# KiCad board MiniMageSpells-panel.kicad_pcb
title: Mini Mage 2022 SAO Panel; date: 2022-09-12; rev: 1.1; company: DC801; note: @hamster
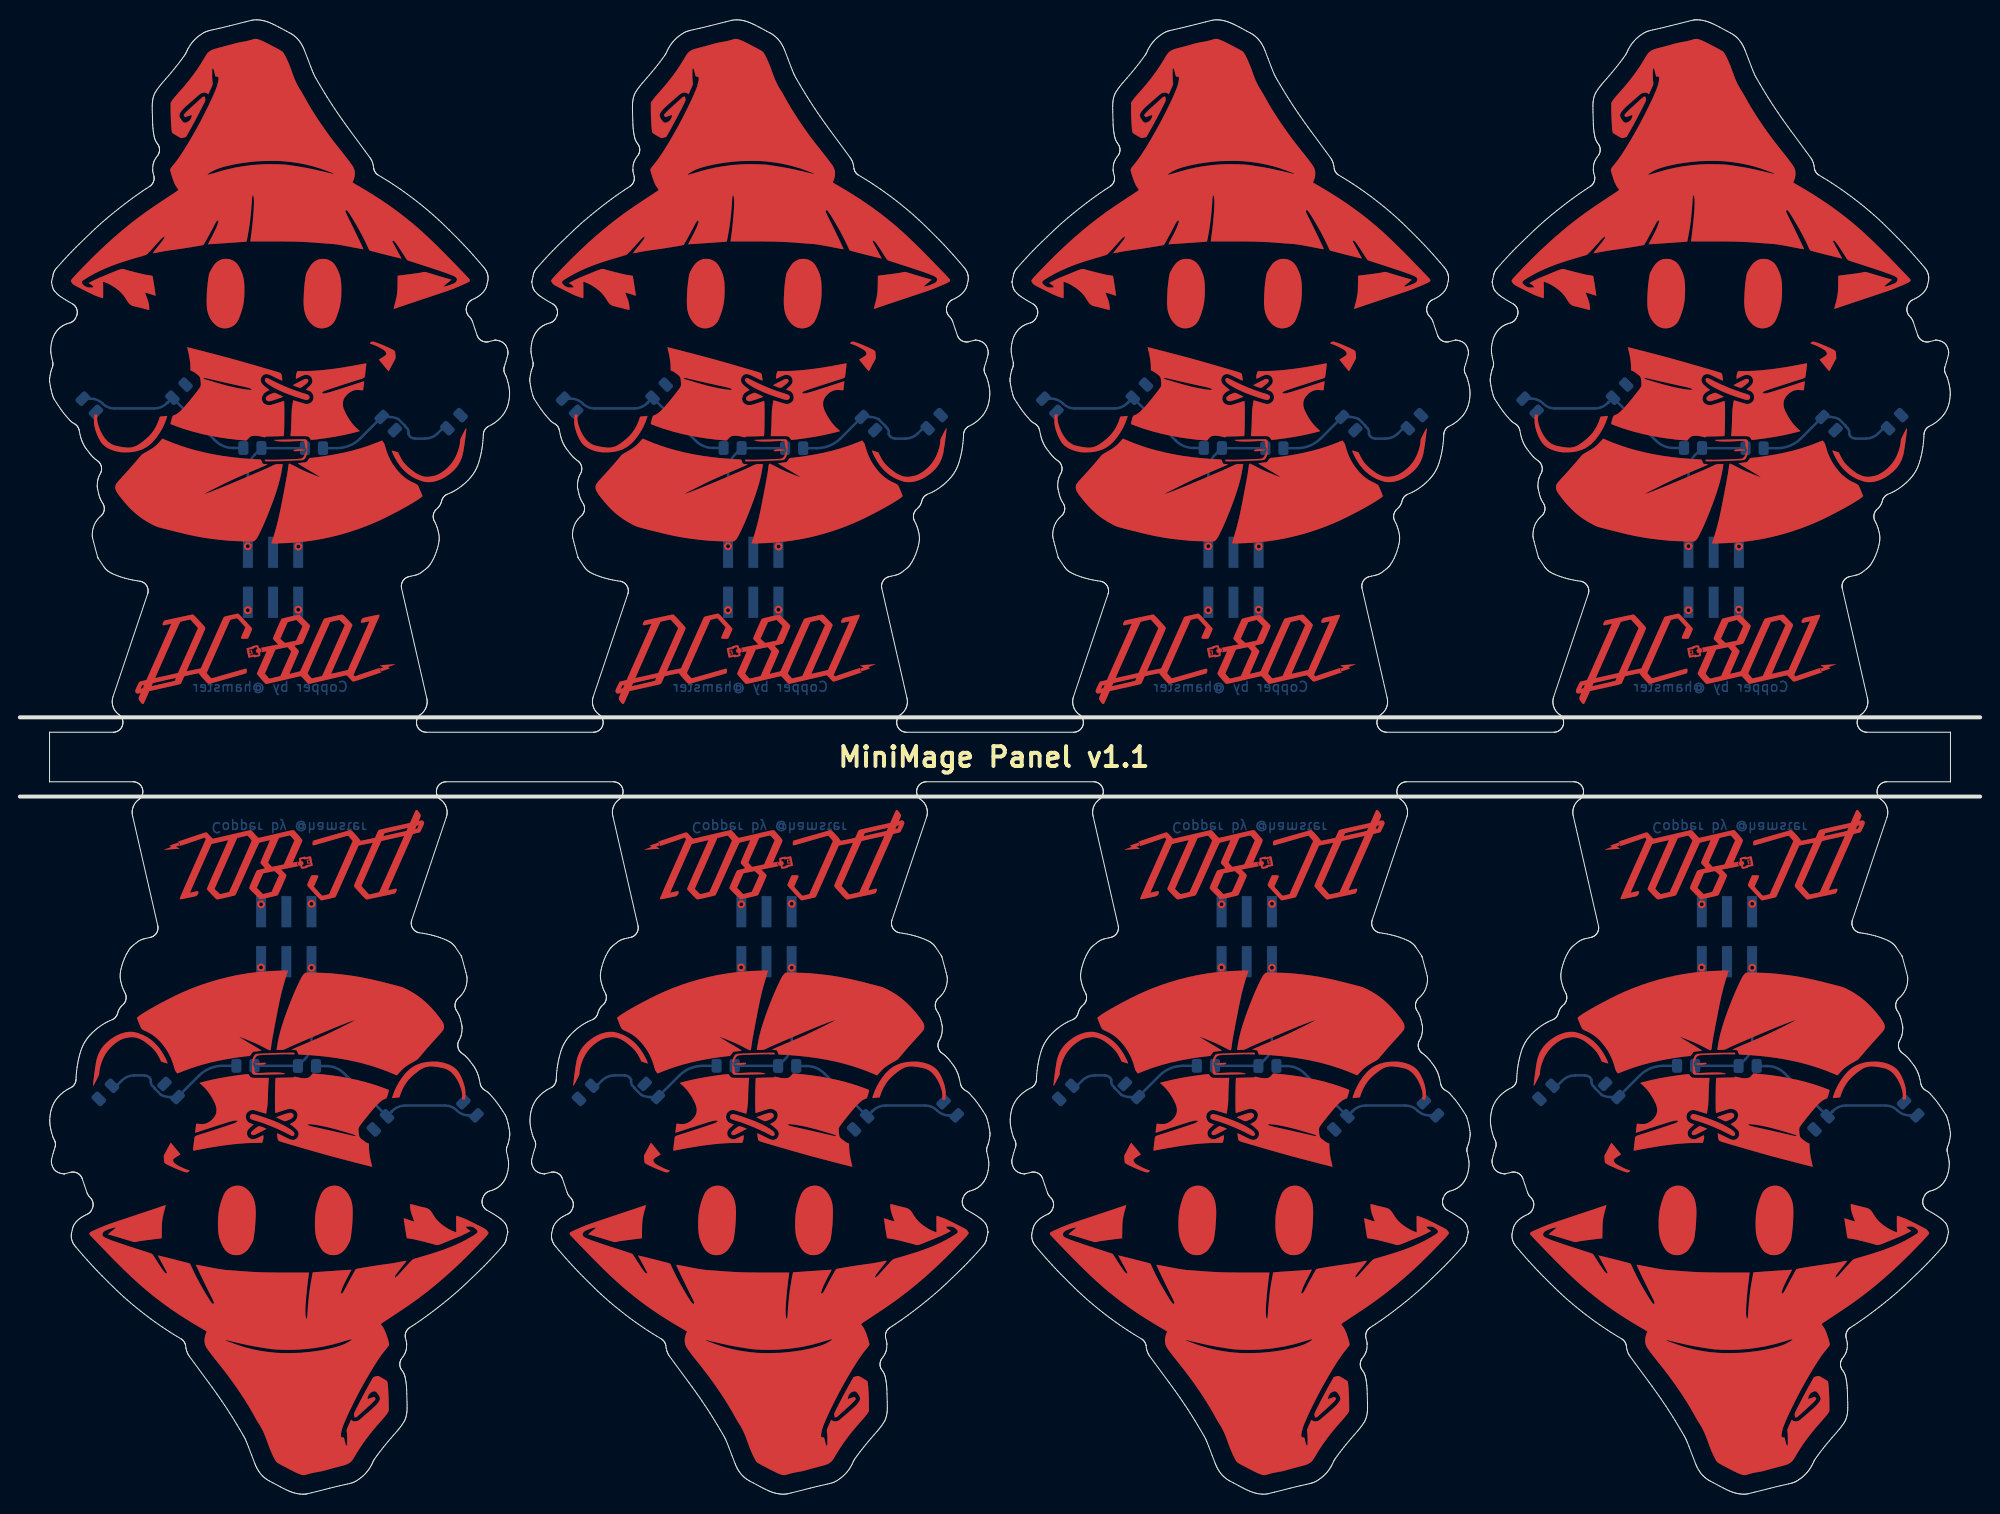
[diagram p0: board, top side]
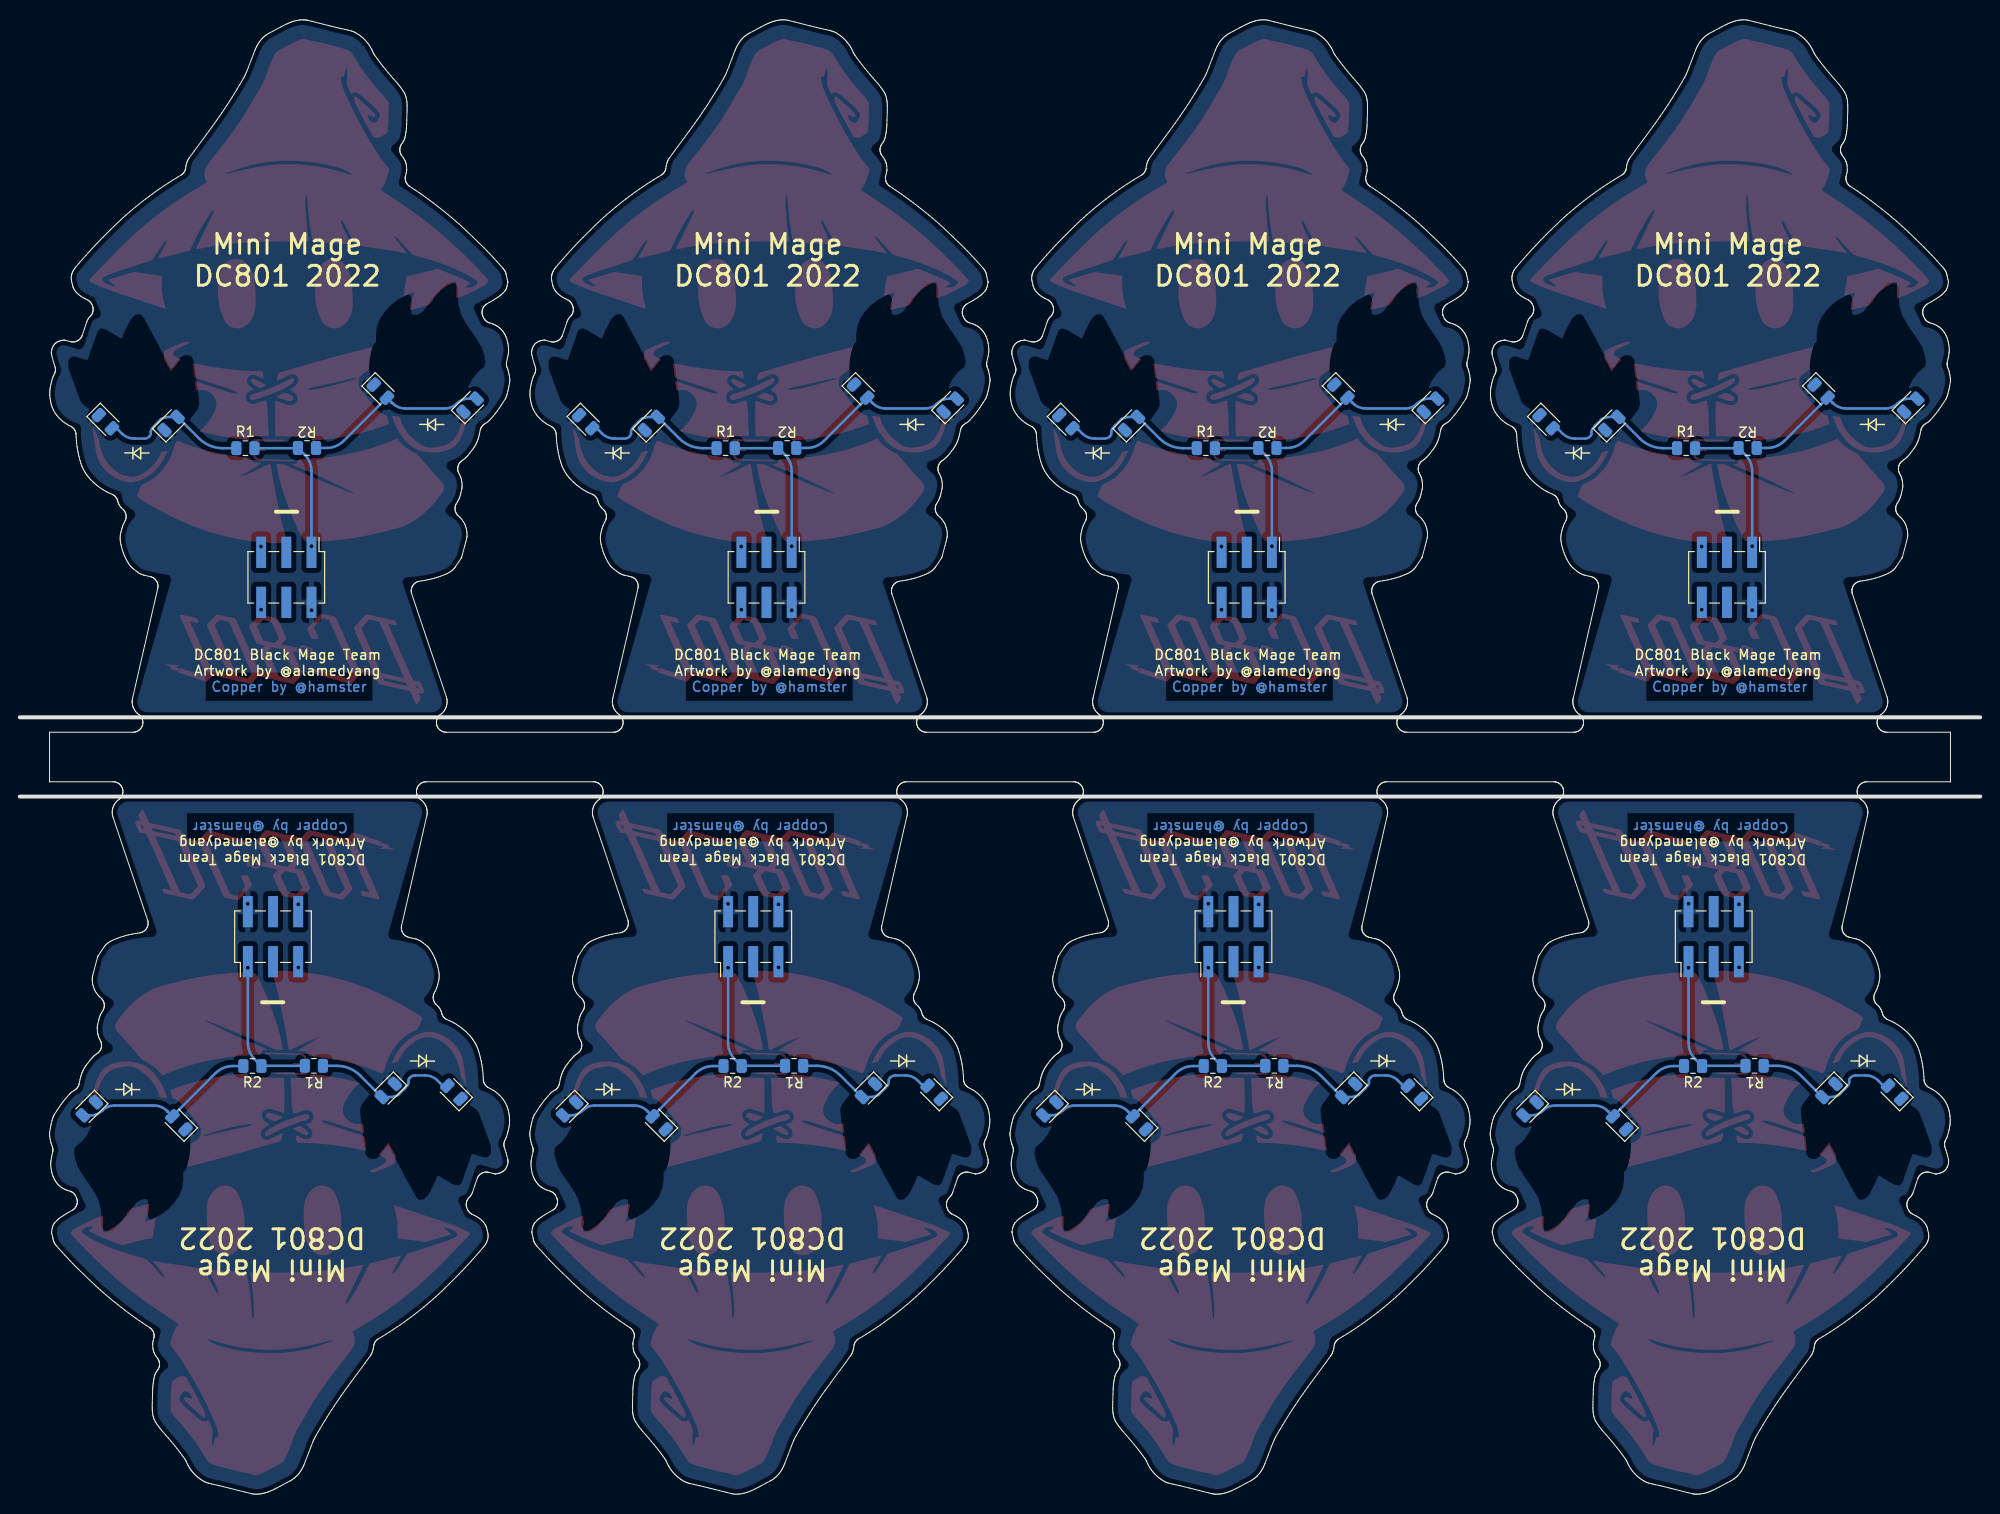
[diagram p1: board, bottom side, seen from below]

Outline 197.86 x 148.88 mm; copper layers: Top, Bottom. Coordinates in mm from the lower left corner of the outline.

## Placement (name value [footprint] x y rotation side)
D1  LED  [LED_0805_2012Metric]  85.66 108.11 135 bottom
D1#2  LED  [LED_0805_2012Metric]  182.59 108.11 135 bottom
D1#3  LED  [LED_0805_2012Metric]  112.2 40.77 315 bottom
D1#4  LED  [LED_0805_2012Metric]  134.13 108.11 135 bottom
D1#5  LED  [LED_0805_2012Metric]  63.73 40.77 315 bottom
D1#6  LED  [LED_0805_2012Metric]  37.19 108.11 135 bottom
D1#7  LED  [LED_0805_2012Metric]  15.26 40.77 315 bottom
D1#8  LED  [LED_0805_2012Metric]  160.66 40.77 315 bottom
D2  LED  [LED_0805_2012Metric]  189.22 108.3 225 bottom
D2#2  LED  [LED_0805_2012Metric]  8.63 40.58 45 bottom
D2#3  LED  [LED_0805_2012Metric]  57.1 40.58 45 bottom
D2#4  LED  [LED_0805_2012Metric]  43.82 108.3 225 bottom
D2#5  LED  [LED_0805_2012Metric]  92.29 108.3 225 bottom
D2#6  LED  [LED_0805_2012Metric]  140.75 108.3 225 bottom
D2#7  LED  [LED_0805_2012Metric]  154.04 40.58 45 bottom
D2#8  LED  [LED_0805_2012Metric]  105.57 40.58 45 bottom
D3  LED  [LED_0805_2012Metric]  55.49 109.96 135 bottom
D3#2  LED  [LED_0805_2012Metric]  190.83 38.92 315 bottom
D3#3  LED  [LED_0805_2012Metric]  103.96 109.96 135 bottom
D3#4  LED  [LED_0805_2012Metric]  7.02 109.96 135 bottom
D3#5  LED  [LED_0805_2012Metric]  45.43 38.92 315 bottom
D3#6  LED  [LED_0805_2012Metric]  152.42 109.96 135 bottom
D3#7  LED  [LED_0805_2012Metric]  142.37 38.92 315 bottom
D3#8  LED  [LED_0805_2012Metric]  93.9 38.92 315 bottom
D4  LED  [LED_0805_2012Metric]  133.33 37.5 45 bottom
D4#2  LED  [LED_0805_2012Metric]  64.53 111.38 225 bottom
D4#3  LED  [LED_0805_2012Metric]  181.79 37.5 45 bottom
D4#4  LED  [LED_0805_2012Metric]  84.86 37.5 45 bottom
D4#5  LED  [LED_0805_2012Metric]  113 111.38 225 bottom
D4#6  LED  [LED_0805_2012Metric]  161.46 111.38 225 bottom
D4#7  LED  [LED_0805_2012Metric]  36.39 37.5 45 bottom
D4#8  LED  [LED_0805_2012Metric]  16.06 111.38 225 bottom
G***  LOGO  [front-soldermask]  171.52 116.5 0 top
G***#2  LOGO  [front-copper]  123.07 116.48 0 top
G***#3  LOGO  [front-copper]  74.78 32.4 180 top
G***#4  LOGO  [front-copper]  74.6 116.48 0 top
G***#5  LOGO  [back-soldermask]  123.27 32.41 180 top
G***#6  LOGO  [front-soldermask]  171.74 32.38 180 top
G***#7  LOGO  [front-copper]  171.72 32.4 180 top
G***#8  LOGO  [front-soldermask]  74.58 116.5 0 top
G***#9  LOGO  [front-copper]  171.54 116.48 0 top
G***#10  LOGO  [back-soldermask]  26.34 32.41 180 top
G***#11  LOGO  [front-soldermask]  74.8 32.38 180 top
G***#12  LOGO  [back-soldermask]  171.52 116.47 0 top
G***#13  LOGO  [front-copper]  123.25 32.4 180 top
G***#14  LOGO  [front-soldermask]  26.34 32.38 180 top
G***#15  LOGO  [front-copper]  26.14 116.48 0 top
G***#16  LOGO  [front-copper]  26.32 32.4 180 top
G***#17  LOGO  [front-soldermask]  26.12 116.5 0 top
G***#18  LOGO  [front-soldermask]  123.05 116.5 0 top
G***#19  LOGO  [back-soldermask]  171.74 32.41 180 top
G***#20  LOGO  [back-soldermask]  26.12 116.47 0 top
G***#21  LOGO  [back-soldermask]  74.8 32.41 180 top
G***#22  LOGO  [back-soldermask]  74.58 116.47 0 top
G***#23  LOGO  [front-soldermask]  123.27 32.38 180 top
G***#24  LOGO  [back-soldermask]  123.05 116.47 0 top
R1  R  [R_0805_2012Metric]  126.62 105.62 0 bottom
R1#2  R  [R_0805_2012Metric]  168.17 43.26 180 bottom
R1#3  R  [R_0805_2012Metric]  175.08 105.62 0 bottom
R1#4  R  [R_0805_2012Metric]  78.15 105.62 0 bottom
R1#5  R  [R_0805_2012Metric]  22.77 43.26 180 bottom
R1#6  R  [R_0805_2012Metric]  119.71 43.26 180 bottom
R1#7  R  [R_0805_2012Metric]  29.68 105.62 0 bottom
R1#8  R  [R_0805_2012Metric]  71.24 43.26 180 bottom
R2  R  [R_0805_2012Metric]  77.45 43.24 0 bottom
R2#2  R  [R_0805_2012Metric]  71.94 105.64 180 bottom
R2#3  R  [R_0805_2012Metric]  168.87 105.64 180 bottom
R2#4  R  [R_0805_2012Metric]  174.38 43.24 0 bottom
R2#5  R  [R_0805_2012Metric]  28.98 43.24 0 bottom
R2#6  R  [R_0805_2012Metric]  125.92 43.24 0 bottom
R2#7  R  [R_0805_2012Metric]  120.41 105.64 180 bottom
R2#8  R  [R_0805_2012Metric]  23.47 105.64 180 bottom
X1  Badgelife_sao_connector_v169bis  [PinHeader_2x03_P2.54mm_Vertical_SMD]  75.36 56.3 90 bottom
X1#2  Badgelife_sao_connector_v169bis  [PinHeader_2x03_P2.54mm_Vertical_SMD]  25.56 92.58 270 bottom
X1#3  Badgelife_sao_connector_v169bis  [PinHeader_2x03_P2.54mm_Vertical_SMD]  74.02 92.58 270 bottom
X1#4  Badgelife_sao_connector_v169bis  [PinHeader_2x03_P2.54mm_Vertical_SMD]  172.3 56.3 90 bottom
X1#5  Badgelife_sao_connector_v169bis  [PinHeader_2x03_P2.54mm_Vertical_SMD]  122.49 92.58 270 bottom
X1#6  Badgelife_sao_connector_v169bis  [PinHeader_2x03_P2.54mm_Vertical_SMD]  123.83 56.3 90 bottom
X1#7  Badgelife_sao_connector_v169bis  [PinHeader_2x03_P2.54mm_Vertical_SMD]  26.9 56.3 90 bottom
X1#8  Badgelife_sao_connector_v169bis  [PinHeader_2x03_P2.54mm_Vertical_SMD]  170.96 92.58 270 bottom

## Footprints (pads in the part's own frame, mm; a bottom-side part is the same pattern mirrored in y, then rotated)
LED_0805_2012Metric
  rrect 0.975x1.4 smd: 1(-0.938,0) 2(0.938,0)
PinHeader_2x03_P2.54mm_Vertical_SMD
  rect 3.15x1 smd: 1(-2.525,2.54) 2(2.525,2.54) 3(-2.525,0) 4(2.525,0) 5(-2.525,-2.54) 6(2.525,-2.54)
R_0805_2012Metric
  rrect 1.025x1.4 smd: 1(-0.912,0) 2(0.912,0)

## Nets
Board_0-+3V3: R1#7.1 R2#8.1 X1#2.1
Board_0-GND: D1#6.1 D2#4.1 D3#4.1 D4#8.1 X1#2.2
Board_0-Net-(D1-Pad2): D1#6.2 D2#4.2 R1#7.2
Board_0-Net-(D3-Pad2): D3#4.2 D4#8.2 R2#8.2
Board_0-unconnected-(X1-Pad3): X1#2.3
Board_0-unconnected-(X1-Pad4): X1#2.4
Board_0-unconnected-(X1-Pad5): X1#2.5
Board_0-unconnected-(X1-Pad6): X1#2.6
Board_1-+3V3: R1#4.1 R2#2.1 X1#3.1
Board_1-GND: D1.1 D2#5.1 D3.1 D4#2.1 X1#3.2
Board_1-Net-(D1-Pad2): D1.2 D2#5.2 R1#4.2
Board_1-Net-(D3-Pad2): D3.2 D4#2.2 R2#2.2
Board_1-unconnected-(X1-Pad3): X1#3.3
Board_1-unconnected-(X1-Pad4): X1#3.4
Board_1-unconnected-(X1-Pad5): X1#3.5
Board_1-unconnected-(X1-Pad6): X1#3.6
Board_2-+3V3: R1.1 R2#7.1 X1#5.1
Board_2-GND: D1#4.1 D2#6.1 D3#3.1 D4#5.1 X1#5.2
Board_2-Net-(D1-Pad2): D1#4.2 D2#6.2 R1.2
Board_2-Net-(D3-Pad2): D3#3.2 D4#5.2 R2#7.2
Board_2-unconnected-(X1-Pad3): X1#5.3
Board_2-unconnected-(X1-Pad4): X1#5.4
Board_2-unconnected-(X1-Pad5): X1#5.5
Board_2-unconnected-(X1-Pad6): X1#5.6
Board_3-+3V3: R1#3.1 R2#3.1 X1#8.1
Board_3-GND: D1#2.1 D2.1 D3#6.1 D4#6.1 X1#8.2
Board_3-Net-(D1-Pad2): D1#2.2 D2.2 R1#3.2
Board_3-Net-(D3-Pad2): D3#6.2 D4#6.2 R2#3.2
Board_3-unconnected-(X1-Pad3): X1#8.3
Board_3-unconnected-(X1-Pad4): X1#8.4
Board_3-unconnected-(X1-Pad5): X1#8.5
Board_3-unconnected-(X1-Pad6): X1#8.6
Board_4-+3V3: R1#5.1 R2#5.1 X1#7.1
Board_4-GND: D1#7.1 D2#2.1 D3#5.1 D4#7.1 X1#7.2
Board_4-Net-(D1-Pad2): D1#7.2 D2#2.2 R1#5.2
Board_4-Net-(D3-Pad2): D3#5.2 D4#7.2 R2#5.2
Board_4-unconnected-(X1-Pad3): X1#7.3
Board_4-unconnected-(X1-Pad4): X1#7.4
Board_4-unconnected-(X1-Pad5): X1#7.5
Board_4-unconnected-(X1-Pad6): X1#7.6
Board_5-+3V3: R1#8.1 R2.1 X1.1
Board_5-GND: D1#5.1 D2#3.1 D3#8.1 D4#4.1 X1.2
Board_5-Net-(D1-Pad2): D1#5.2 D2#3.2 R1#8.2
Board_5-Net-(D3-Pad2): D3#8.2 D4#4.2 R2.2
Board_5-unconnected-(X1-Pad3): X1.3
Board_5-unconnected-(X1-Pad4): X1.4
Board_5-unconnected-(X1-Pad5): X1.5
Board_5-unconnected-(X1-Pad6): X1.6
Board_6-+3V3: R1#6.1 R2#6.1 X1#6.1
Board_6-GND: D1#3.1 D2#8.1 D3#7.1 D4.1 X1#6.2
Board_6-Net-(D1-Pad2): D1#3.2 D2#8.2 R1#6.2
Board_6-Net-(D3-Pad2): D3#7.2 D4.2 R2#6.2
Board_6-unconnected-(X1-Pad3): X1#6.3
Board_6-unconnected-(X1-Pad4): X1#6.4
Board_6-unconnected-(X1-Pad5): X1#6.5
Board_6-unconnected-(X1-Pad6): X1#6.6
Board_7-+3V3: R1#2.1 R2#4.1 X1#4.1
Board_7-GND: D1#8.1 D2#7.1 D3#2.1 D4#3.1 X1#4.2
Board_7-Net-(D1-Pad2): D1#8.2 D2#7.2 R1#2.2
Board_7-Net-(D3-Pad2): D3#2.2 D4#3.2 R2#4.2
Board_7-unconnected-(X1-Pad3): X1#4.3
Board_7-unconnected-(X1-Pad4): X1#4.4
Board_7-unconnected-(X1-Pad5): X1#4.5
Board_7-unconnected-(X1-Pad6): X1#4.6

## Via types
v1: diameter 0.8, hole 0.4, Top to Bottom, 32 vias

## Routing (per net, layer and track width the routed paths; a pad name or vN(x,y) marks a point on that pad's centre or on a via; arc(x,y) is an arc through that point)
Board_0-+3V3: length 17.3
  Bottom w0.25: 23.02,93.85 23.01,93.86 arc(23,93.87) 23,93.89 23,95.72 ; X1#2.1 23.02,103.31 arc(23.19,104.2) 23.7,104.96 24.37,105.63 arc(24.38,105.64) 24.39,105.63 arc(24.41,105.63) 24.42,105.62 R1#7.1
  vias: v1(23.01,95.72)
Board_0-GND:
  vias: v1(23.01,89.26)
Board_0-Net-(D1-Pad2): length 15.2
  Bottom w0.25: R1#7.2 31.98,105.62 arc(33.27,105.88) 34.36,106.61 D1#6.2 ; D2#4.2 42.92,107.64 arc(42.7,107.59) 42.52,107.47 42.16,107.12 arc(41.59,106.73) 40.9,106.59 39.88,106.59 arc(39.61,106.65) 39.39,106.8 arc(39.3,106.9) 39.23,107.02 39.23,107.25 arc(39.19,107.47) 39.07,107.65 38.89,107.82 38.89,107.84 arc(38.89,107.86) 38.88,107.88 38.19,108.56 arc(37.77,108.72) 37.32,108.78 36.52,108.78 arc(36.51,108.77) 36.51,108.77
Board_0-Net-(D3-Pad2): length 18.7
  Bottom w0.25: R2#8.2 21.52,105.64 arc(20.55,105.83) 19.74,106.38 15.64,110.48 arc(15.4,110.58) 15.16,110.48 14.85,110.18 arc(14.25,109.77) 13.54,109.63 9.54,109.63 arc(8.89,109.76) 8.34,110.13 arc(7.8,110.5) 7.15,110.63 D3#4.2
Board_0-unconnected-(X1-Pad5):
  vias: v1(28.11,95.69)
Board_0-unconnected-(X1-Pad6):
  vias: v1(28.1,89.31)
Board_1-+3V3: length 17.3
  Bottom w0.25: 71.48,93.85 71.47,93.86 arc(71.47,93.87) 71.46,93.89 71.46,95.72 ; R1#4.1 72.89,105.62 arc(72.87,105.63) 72.86,105.63 arc(72.85,105.64) 72.84,105.63 72.17,104.96 arc(71.66,104.2) 71.48,103.31 X1#3.1
  vias: v1(71.48,95.72)
Board_1-GND:
  vias: v1(71.48,89.26)
Board_1-Net-(D1-Pad2): length 15.2
  Bottom w0.25: D1.2 82.83,106.61 arc(81.74,105.88) 80.45,105.62 R1#4.2 ; D2#5.2 91.39,107.64 arc(91.17,107.59) 90.99,107.47 90.63,107.12 arc(90.05,106.73) 89.37,106.59 88.35,106.59 arc(88.08,106.65) 87.85,106.8 arc(87.77,106.9) 87.7,107.02 87.7,107.25 arc(87.66,107.47) 87.54,107.65 87.36,107.82 87.36,107.84 arc(87.36,107.86) 87.34,107.88 86.66,108.56 arc(86.23,108.72) 85.78,108.78 84.99,108.78 arc(84.98,108.77) 84.98,108.77
Board_1-Net-(D3-Pad2): length 18.7
  Bottom w0.25: R2#2.2 69.99,105.64 arc(69.02,105.83) 68.21,106.38 64.11,110.48 arc(63.87,110.58) 63.62,110.48 63.32,110.18 arc(62.72,109.77) 62.01,109.63 58.01,109.63 arc(57.36,109.76) 56.81,110.13 arc(56.26,110.5) 55.61,110.63 D3.2
Board_1-unconnected-(X1-Pad5):
  vias: v1(76.58,95.69)
Board_1-unconnected-(X1-Pad6):
  vias: v1(76.57,89.31)
Board_2-+3V3: length 17.3
  Bottom w0.25: R1.1 121.35,105.62 arc(121.34,105.63) 121.33,105.63 arc(121.32,105.64) 121.31,105.63 120.64,104.96 arc(120.13,104.2) 119.95,103.31 X1#5.1 ; 119.95,93.85 119.94,93.86 arc(119.93,93.87) 119.93,93.89 119.93,95.72
  vias: v1(119.95,95.72)
Board_2-GND:
  vias: v1(119.95,89.26)
Board_2-Net-(D1-Pad2): length 15.2
  Bottom w0.25: D1#4.2 133.46,108.78 arc(133.45,108.77) 133.44,108.77 ; D1#4.2 134.25,108.78 arc(134.7,108.72) 135.13,108.56 135.81,107.88 arc(135.82,107.86) 135.83,107.84 135.83,107.82 136,107.65 arc(136.12,107.47) 136.17,107.25 136.17,107.02 arc(136.23,106.9) 136.32,106.8 arc(136.55,106.65) 136.82,106.59 137.84,106.59 arc(138.52,106.73) 139.1,107.12 139.46,107.47 arc(139.64,107.59) 139.86,107.64 D2#6.2 ; D1#4.2 131.29,106.61 arc(130.21,105.88) 128.92,105.62 R1.2
Board_2-Net-(D3-Pad2): length 18.7
  Bottom w0.25: D3#3.2 104.08,110.63 arc(104.73,110.5) 105.28,110.13 arc(105.83,109.76) 106.48,109.63 110.48,109.63 arc(111.19,109.77) 111.79,110.18 112.09,110.48 arc(112.33,110.58) 112.58,110.48 116.67,106.38 arc(117.49,105.83) 118.45,105.64 R2#7.2
Board_2-unconnected-(X1-Pad5):
  vias: v1(125.05,95.69)
Board_2-unconnected-(X1-Pad6):
  vias: v1(125.04,89.31)
Board_3-+3V3: length 17.3
  Bottom w0.25: 168.42,93.85 168.41,93.86 arc(168.4,93.87) 168.4,93.89 168.4,95.72 ; R1#3.1 169.82,105.62 arc(169.81,105.63) 169.8,105.63 arc(169.79,105.64) 169.78,105.63 169.1,104.96 arc(168.6,104.2) 168.42,103.31 X1#8.1
  vias: v1(168.41,95.72)
Board_3-GND:
  vias: v1(168.41,89.26)
Board_3-Net-(D1-Pad2): length 15.2
  Bottom w0.25: D1#2.2 182.72,108.78 arc(183.17,108.72) 183.6,108.56 184.28,107.88 arc(184.29,107.86) 184.29,107.84 184.29,107.82 184.47,107.65 arc(184.59,107.47) 184.63,107.25 184.63,107.02 arc(184.7,106.9) 184.79,106.8 arc(185.02,106.65) 185.28,106.59 186.31,106.59 arc(186.99,106.73) 187.57,107.12 187.92,107.47 arc(188.11,107.59) 188.32,107.64 D2.2 ; D1#2.2 181.92,108.78 arc(181.92,108.77) 181.91,108.77 ; D1#2.2 179.76,106.61 arc(178.67,105.88) 177.39,105.62 R1#3.2
Board_3-Net-(D3-Pad2): length 18.7
  Bottom w0.25: R2#3.2 166.92,105.64 arc(165.96,105.83) 165.14,106.38 161.04,110.48 arc(160.8,110.58) 160.56,110.48 160.26,110.18 arc(159.66,109.77) 158.95,109.63 154.95,109.63 arc(154.3,109.76) 153.75,110.13 arc(153.2,110.5) 152.55,110.63 D3#6.2
Board_3-unconnected-(X1-Pad5):
  vias: v1(173.51,95.69)
Board_3-unconnected-(X1-Pad6):
  vias: v1(173.5,89.31)
Board_4-+3V3: length 17.3
  Bottom w0.25: X1#7.1 29.44,45.57 arc(29.26,44.68) 28.75,43.92 28.08,43.25 arc(28.07,43.24) 28.06,43.25 arc(28.05,43.25) 28.03,43.26 R1#5.1 ; 29.44,55.03 29.45,55.02 arc(29.45,55) 29.46,54.99 29.46,53.16
  vias: v1(29.44,53.16)
Board_4-GND:
  vias: v1(29.44,59.62)
Board_4-Net-(D1-Pad2): length 15.2
  Bottom w0.25: D1#7.2 18.09,42.27 arc(19.18,43) 20.47,43.26 R1#5.2 ; D2#2.2 9.53,41.24 arc(9.75,41.29) 9.93,41.41 10.29,41.76 arc(10.87,42.15) 11.55,42.29 12.57,42.29 arc(12.84,42.23) 13.07,42.08 arc(13.15,41.98) 13.22,41.86 13.22,41.63 arc(13.26,41.41) 13.38,41.23 13.56,41.06 13.56,41.04 arc(13.56,41.02) 13.58,41 14.26,40.32 arc(14.69,40.16) 15.14,40.1 15.93,40.1 arc(15.94,40.1) 15.94,40.11
Board_4-Net-(D3-Pad2): length 18.7
  Bottom w0.25: R2#5.2 30.93,43.24 arc(31.9,43.04) 32.71,42.5 36.81,38.4 arc(37.05,38.3) 37.29,38.4 37.6,38.7 arc(38.2,39.1) 38.91,39.25 42.91,39.25 arc(43.56,39.12) 44.11,38.75 arc(44.66,38.38) 45.31,38.25 D3#5.2
Board_4-unconnected-(X1-Pad5):
  vias: v1(24.34,53.19)
Board_4-unconnected-(X1-Pad6):
  vias: v1(24.35,59.57)
Board_5-+3V3: length 17.3
  Bottom w0.25: R1#8.1 76.5,43.26 arc(76.51,43.25) 76.53,43.25 arc(76.54,43.24) 76.55,43.25 77.22,43.92 arc(77.73,44.68) 77.9,45.57 X1.1 ; 77.92,53.16 77.92,54.99 arc(77.92,55) 77.91,55.02 77.9,55.03
  vias: v1(77.91,53.16)
Board_5-GND:
  vias: v1(77.91,59.62)
Board_5-Net-(D1-Pad2): length 15.2
  Bottom w0.25: R1#8.2 68.93,43.26 arc(67.65,43) 66.56,42.27 D1#5.2 ; D2#3.2 58,41.24 arc(58.22,41.29) 58.4,41.41 58.76,41.76 arc(59.33,42.15) 60.02,42.29 61.04,42.29 arc(61.31,42.23) 61.53,42.08 arc(61.62,41.98) 61.69,41.86 61.69,41.63 arc(61.73,41.41) 61.85,41.23 62.03,41.06 62.03,41.04 arc(62.03,41.02) 62.04,41 62.73,40.32 arc(63.15,40.16) 63.6,40.1 64.4,40.1 arc(64.4,40.1) 64.41,40.11
Board_5-Net-(D3-Pad2): length 18.7
  Bottom w0.25: R2.2 79.4,43.24 arc(80.36,43.04) 81.18,42.5 85.28,38.4 arc(85.52,38.3) 85.76,38.4 86.06,38.7 arc(86.67,39.1) 87.38,39.25 91.38,39.25 arc(92.02,39.12) 92.57,38.75 arc(93.12,38.38) 93.77,38.25 D3#8.2
Board_5-unconnected-(X1-Pad5):
  vias: v1(72.81,53.19)
Board_5-unconnected-(X1-Pad6):
  vias: v1(72.82,59.57)
Board_6-+3V3: length 17.3
  Bottom w0.25: R1#6.1 124.97,43.26 arc(124.98,43.25) 124.99,43.25 arc(125,43.24) 125.01,43.25 125.69,43.92 arc(126.19,44.68) 126.37,45.57 X1#6.1 ; 126.37,55.03 126.38,55.02 arc(126.39,55) 126.39,54.99 126.39,53.16
  vias: v1(126.38,53.16)
Board_6-GND:
  vias: v1(126.38,59.62)
Board_6-Net-(D1-Pad2): length 15.2
  Bottom w0.25: D1#3.2 112.87,40.1 arc(112.87,40.1) 112.88,40.11 ; D1#3.2 115.03,42.27 arc(116.12,43) 117.4,43.26 R1#6.2 ; D1#3.2 112.07,40.1 arc(111.62,40.16) 111.2,40.32 110.51,41 arc(110.5,41.02) 110.5,41.04 110.5,41.06 110.32,41.23 arc(110.2,41.41) 110.16,41.63 110.16,41.86 arc(110.09,41.98) 110,42.08 arc(109.77,42.23) 109.51,42.29 108.48,42.29 arc(107.8,42.15) 107.22,41.76 106.87,41.41 arc(106.68,41.29) 106.47,41.24 D2#8.2
Board_6-Net-(D3-Pad2): length 18.7
  Bottom w0.25: R2#6.2 127.87,43.24 arc(128.83,43.04) 129.65,42.5 133.75,38.4 arc(133.99,38.3) 134.23,38.4 134.53,38.7 arc(135.13,39.1) 135.84,39.25 139.84,39.25 arc(140.49,39.12) 141.04,38.75 arc(141.59,38.38) 142.24,38.25 D3#7.2
Board_6-unconnected-(X1-Pad5):
  vias: v1(121.28,53.19)
Board_6-unconnected-(X1-Pad6):
  vias: v1(121.29,59.57)
Board_7-+3V3: length 17.3
  Bottom w0.25: 174.84,55.03 174.85,55.02 arc(174.86,55) 174.86,54.99 174.86,53.16 ; X1#4.1 174.84,45.57 arc(174.66,44.68) 174.16,43.92 173.48,43.25 arc(173.47,43.24) 173.46,43.25 arc(173.45,43.25) 173.44,43.26 R1#2.1
  vias: v1(174.84,53.16)
Board_7-GND:
  vias: v1(174.84,59.62)
Board_7-Net-(D1-Pad2): length 15.2
  Bottom w0.25: R1#2.2 165.87,43.26 arc(164.59,43) 163.5,42.27 D1#8.2 ; D1#8.2 160.54,40.1 arc(160.09,40.16) 159.66,40.32 158.98,41 arc(158.97,41.02) 158.96,41.04 158.96,41.06 158.79,41.23 arc(158.67,41.41) 158.62,41.63 158.62,41.86 arc(158.56,41.98) 158.47,42.08 arc(158.24,42.23) 157.97,42.29 156.95,42.29 arc(156.27,42.15) 155.69,41.76 155.34,41.41 arc(155.15,41.29) 154.93,41.24 D2#7.2 ; D1#8.2 161.33,40.1 arc(161.34,40.1) 161.35,40.11
Board_7-Net-(D3-Pad2): length 18.7
  Bottom w0.25: D3#2.2 190.71,38.25 arc(190.06,38.38) 189.51,38.75 arc(188.96,39.12) 188.31,39.25 184.31,39.25 arc(183.6,39.1) 183,38.7 182.7,38.4 arc(182.46,38.3) 182.22,38.4 178.12,42.5 arc(177.3,43.04) 176.34,43.24 R2#4.2
Board_7-unconnected-(X1-Pad5):
  vias: v1(169.74,53.19)
Board_7-unconnected-(X1-Pad6):
  vias: v1(169.75,59.57)

## Copper pours and planes (outline as drawn; the poured copper is in the pictures)
Board_0-GND on Bottom: 24.58,148.83 26.16,148.16 27.61,147.37 28.46,146.39 29.52,143.57 31.38,140.44 35.37,134.91 35.6,134.34 35.86,133.41 39.16,131.24 41.71,129.18 43.9,127.08 46.49,124.27 47.02,123.65 47.24,123.05 47.23,122.43 46.98,121.68 46.54,121.12 45.88,120.73 45.37,120.48 44.81,119.24 45.37,118.88 45.68,118.48 46.08,117.12 46.51,116.15 47.9,116.53 48.22,116.54 48.75,116.33 49.12,115.91 49.28,115.31 49.09,114.46 48.78,113.46 49.2,112.55 49.33,112.08 49.42,111.33 49.41,110.47 49.19,109.74 48.81,109.05 48.14,108.36 47.49,107.9 46.8,107.64 46.73,106.52 46.66,105.66 46.49,104.66 46.18,103.74 45.7,102.94 45.07,102.2 44.33,101.58 43.4,101.06 42.68,100.81 42.59,100.38 42.39,99.88 42.04,99.47 41.32,98.92 41.92,98.11 42.19,97.28 42.35,96.54 42.24,95.85 41.92,94.81 41.47,93.97 40.92,93.37 40.27,92.93 39.5,92.72 38.05,92.39 37.7,92.33 40.95,80.77 41.11,80.12 40.98,79.44 40.7,78.95 40.12,78.54 39.34,78.42 10.94,78.42 10.68,78.41 10,78.69 9.58,79.13 9.34,79.73 9.37,80.44 13.3,92.06 11.15,92.33 9.91,92.74 9.19,93 8.63,93.47 8.05,94.26 7.87,94.66 7.3,96.58 7.33,97.47 7.67,98.22 8.13,98.7 8.94,99.35 8.06,100.59 7.85,101.42 7.83,102.45 8.19,103.12 8.83,103.82 8.33,104.06 7.46,104.6 6.83,105.4 6.27,106.22 6.08,107.05 5.98,107.68 5.68,108 5.11,108.36 4.2,109.45 3.37,110.73 3.03,112.02 3.07,113.22 3.37,114.08 3.19,114.89 3.12,115.72 3.32,116.68 3.87,117.66 4.74,118.19 5.48,118.4 6.11,119.76 5.78,119.96 4.28,120.84 3.62,121.27 3.34,121.78 3.21,122.27 3.27,122.93 3.49,123.53 4.48,124.69 6.01,126.24 7.59,127.77 9.49,129.42 11.97,131.29 13.71,132.48 13.41,133.46 13.38,133.87 13.5,134.48 13.78,134.97 14.22,135.55 14.43,135.85 13.92,136.35 13.59,136.98 13.46,137.54 13.37,140.16 13.37,140.77 13.53,141.29 13.88,141.85 16.75,145.45 17.1,146.22 17.65,146.84 18.41,147.47 19.25,147.81 23.94,148.9
Board_1-GND on Bottom: 73.04,148.83 74.62,148.16 76.07,147.37 76.92,146.39 77.98,143.57 79.84,140.44 83.83,134.91 84.06,134.34 84.32,133.41 87.62,131.24 90.17,129.18 92.36,127.08 94.95,124.27 95.48,123.65 95.7,123.05 95.69,122.43 95.44,121.68 95,121.12 94.34,120.73 93.83,120.48 93.27,119.24 93.83,118.88 94.14,118.48 94.54,117.12 94.97,116.15 96.36,116.53 96.68,116.54 97.21,116.33 97.58,115.91 97.74,115.31 97.55,114.46 97.24,113.46 97.66,112.55 97.79,112.08 97.88,111.33 97.87,110.47 97.65,109.74 97.27,109.05 96.6,108.36 95.95,107.9 95.26,107.64 95.19,106.52 95.12,105.66 94.95,104.66 94.64,103.74 94.16,102.94 93.53,102.2 92.79,101.58 91.86,101.06 91.14,100.81 91.05,100.38 90.85,99.88 90.5,99.47 89.78,98.92 90.38,98.11 90.65,97.28 90.81,96.54 90.7,95.85 90.38,94.81 89.93,93.97 89.38,93.37 88.73,92.93 87.96,92.72 86.51,92.39 86.16,92.33 89.41,80.77 89.57,80.12 89.44,79.44 89.16,78.95 88.58,78.54 87.8,78.42 59.4,78.42 59.14,78.41 58.46,78.69 58.04,79.13 57.8,79.73 57.83,80.44 61.76,92.06 59.61,92.33 58.37,92.74 57.65,93 57.09,93.47 56.51,94.26 56.33,94.66 55.76,96.58 55.79,97.47 56.13,98.22 56.59,98.7 57.4,99.35 56.52,100.59 56.31,101.42 56.29,102.45 56.65,103.12 57.29,103.82 56.79,104.06 55.92,104.6 55.29,105.4 54.73,106.22 54.54,107.05 54.44,107.68 54.14,108 53.57,108.36 52.66,109.45 51.83,110.73 51.49,112.02 51.53,113.22 51.83,114.08 51.65,114.89 51.58,115.72 51.78,116.68 52.33,117.66 53.2,118.19 53.94,118.4 54.57,119.76 54.24,119.96 52.74,120.84 52.08,121.27 51.8,121.78 51.67,122.27 51.73,122.93 51.95,123.53 52.94,124.69 54.47,126.24 56.05,127.77 57.95,129.42 60.43,131.29 62.17,132.48 61.87,133.46 61.84,133.87 61.96,134.48 62.24,134.97 62.68,135.55 62.89,135.85 62.38,136.35 62.05,136.98 61.92,137.54 61.83,140.16 61.83,140.77 61.99,141.29 62.34,141.85 65.21,145.45 65.56,146.22 66.11,146.84 66.87,147.47 67.71,147.81 72.4,148.9
Board_2-GND on Bottom: 121.51,148.83 123.09,148.16 124.54,147.37 125.39,146.39 126.45,143.57 128.31,140.44 132.3,134.91 132.53,134.34 132.79,133.41 136.09,131.24 138.64,129.18 140.83,127.08 143.42,124.27 143.95,123.65 144.17,123.05 144.16,122.43 143.91,121.68 143.47,121.12 142.81,120.73 142.3,120.48 141.74,119.24 142.3,118.88 142.61,118.48 143.01,117.12 143.44,116.15 144.83,116.53 145.15,116.54 145.68,116.33 146.05,115.91 146.21,115.31 146.02,114.46 145.71,113.46 146.13,112.55 146.26,112.08 146.35,111.33 146.34,110.47 146.12,109.74 145.74,109.05 145.07,108.36 144.42,107.9 143.73,107.64 143.66,106.52 143.59,105.66 143.42,104.66 143.11,103.74 142.63,102.94 142,102.2 141.26,101.58 140.33,101.06 139.61,100.81 139.52,100.38 139.32,99.88 138.97,99.47 138.25,98.92 138.85,98.11 139.12,97.28 139.28,96.54 139.17,95.85 138.85,94.81 138.4,93.97 137.85,93.37 137.2,92.93 136.43,92.72 134.98,92.39 134.63,92.33 137.88,80.77 138.04,80.12 137.91,79.44 137.63,78.95 137.05,78.54 136.27,78.42 107.87,78.42 107.61,78.41 106.93,78.69 106.51,79.13 106.27,79.73 106.3,80.44 110.23,92.06 108.08,92.33 106.84,92.74 106.12,93 105.56,93.47 104.98,94.26 104.8,94.66 104.23,96.58 104.26,97.47 104.6,98.22 105.06,98.7 105.87,99.35 104.99,100.59 104.78,101.42 104.76,102.45 105.12,103.12 105.76,103.82 105.26,104.06 104.39,104.6 103.76,105.4 103.2,106.22 103.01,107.05 102.91,107.68 102.61,108 102.04,108.36 101.13,109.45 100.3,110.73 99.96,112.02 100,113.22 100.3,114.08 100.12,114.89 100.05,115.72 100.25,116.68 100.8,117.66 101.67,118.19 102.41,118.4 103.04,119.76 102.71,119.96 101.21,120.84 100.55,121.27 100.27,121.78 100.14,122.27 100.2,122.93 100.42,123.53 101.41,124.69 102.94,126.24 104.52,127.77 106.42,129.42 108.9,131.29 110.64,132.48 110.34,133.46 110.31,133.87 110.43,134.48 110.71,134.97 111.15,135.55 111.36,135.85 110.85,136.35 110.52,136.98 110.39,137.54 110.3,140.16 110.3,140.77 110.46,141.29 110.81,141.85 113.68,145.45 114.03,146.22 114.58,146.84 115.34,147.47 116.18,147.81 120.87,148.9
Board_3-GND on Bottom: 169.98,148.83 171.56,148.16 173.01,147.37 173.86,146.39 174.92,143.57 176.78,140.44 180.77,134.91 181,134.34 181.26,133.41 184.56,131.24 187.11,129.18 189.3,127.08 191.89,124.27 192.42,123.65 192.64,123.05 192.63,122.43 192.38,121.68 191.94,121.12 191.28,120.73 190.77,120.48 190.21,119.24 190.77,118.88 191.08,118.48 191.48,117.12 191.91,116.15 193.3,116.53 193.62,116.54 194.15,116.33 194.52,115.91 194.68,115.31 194.49,114.46 194.18,113.46 194.6,112.55 194.73,112.08 194.82,111.33 194.81,110.47 194.59,109.74 194.21,109.05 193.54,108.36 192.89,107.9 192.2,107.64 192.13,106.52 192.06,105.66 191.89,104.66 191.58,103.74 191.1,102.94 190.47,102.2 189.73,101.58 188.8,101.06 188.08,100.81 187.99,100.38 187.79,99.88 187.44,99.47 186.72,98.92 187.32,98.11 187.59,97.28 187.75,96.54 187.64,95.85 187.32,94.81 186.87,93.97 186.32,93.37 185.67,92.93 184.9,92.72 183.45,92.39 183.1,92.33 186.35,80.77 186.51,80.12 186.38,79.44 186.1,78.95 185.52,78.54 184.74,78.42 156.34,78.42 156.08,78.41 155.4,78.69 154.98,79.13 154.74,79.73 154.77,80.44 158.7,92.06 156.55,92.33 155.31,92.74 154.59,93 154.03,93.47 153.45,94.26 153.27,94.66 152.7,96.58 152.73,97.47 153.07,98.22 153.53,98.7 154.34,99.35 153.46,100.59 153.25,101.42 153.23,102.45 153.59,103.12 154.23,103.82 153.73,104.06 152.86,104.6 152.23,105.4 151.67,106.22 151.48,107.05 151.38,107.68 151.08,108 150.51,108.36 149.6,109.45 148.77,110.73 148.43,112.02 148.47,113.22 148.77,114.08 148.59,114.89 148.52,115.72 148.72,116.68 149.27,117.66 150.14,118.19 150.88,118.4 151.51,119.76 151.18,119.96 149.68,120.84 149.02,121.27 148.74,121.78 148.61,122.27 148.67,122.93 148.89,123.53 149.88,124.69 151.41,126.24 152.99,127.77 154.89,129.42 157.37,131.29 159.11,132.48 158.81,133.46 158.78,133.87 158.9,134.48 159.18,134.97 159.62,135.55 159.83,135.85 159.32,136.35 158.99,136.98 158.86,137.54 158.77,140.16 158.77,140.77 158.93,141.29 159.28,141.85 162.15,145.45 162.5,146.22 163.05,146.84 163.81,147.47 164.65,147.81 169.34,148.9
Board_4-GND on Bottom: 27.88,0.05 26.3,0.72 24.85,1.51 24,2.49 22.94,5.31 21.08,8.44 17.09,13.97 16.86,14.54 16.6,15.47 13.3,17.64 10.75,19.7 8.56,21.8 5.97,24.61 5.44,25.23 5.22,25.83 5.23,26.45 5.48,27.2 5.92,27.76 6.58,28.15 7.09,28.4 7.65,29.64 7.09,30 6.78,30.4 6.38,31.76 5.95,32.73 4.56,32.35 4.24,32.34 3.71,32.55 3.34,32.97 3.18,33.57 3.37,34.42 3.68,35.42 3.26,36.33 3.13,36.8 3.04,37.55 3.05,38.41 3.27,39.14 3.65,39.83 4.32,40.52 4.97,40.98 5.66,41.24 5.73,42.36 5.8,43.22 5.97,44.22 6.28,45.14 6.76,45.94 7.39,46.68 8.13,47.3 9.06,47.82 9.78,48.07 9.87,48.5 10.07,49 10.42,49.41 11.14,49.96 10.54,50.77 10.27,51.6 10.11,52.34 10.22,53.03 10.54,54.07 10.99,54.91 11.54,55.51 12.19,55.95 12.96,56.16 14.41,56.49 14.76,56.55 11.51,68.11 11.35,68.76 11.48,69.44 11.76,69.93 12.34,70.34 13.12,70.46 41.52,70.46 41.78,70.47 42.46,70.19 42.88,69.75 43.12,69.15 43.09,68.44 39.16,56.82 41.31,56.55 42.55,56.14 43.27,55.88 43.83,55.41 44.41,54.62 44.59,54.22 45.16,52.3 45.13,51.41 44.79,50.66 44.33,50.18 43.52,49.53 44.4,48.29 44.61,47.46 44.63,46.43 44.27,45.76 43.63,45.06 44.13,44.82 45,44.28 45.63,43.48 46.19,42.66 46.38,41.83 46.48,41.2 46.78,40.88 47.35,40.52 48.26,39.43 49.09,38.15 49.43,36.86 49.39,35.66 49.09,34.8 49.27,33.99 49.34,33.16 49.14,32.2 48.59,31.22 47.72,30.69 46.98,30.48 46.35,29.12 46.68,28.92 48.18,28.04 48.84,27.61 49.12,27.1 49.25,26.61 49.19,25.95 48.97,25.35 47.98,24.19 46.45,22.64 44.87,21.11 42.97,19.46 40.49,17.59 38.75,16.4 39.05,15.42 39.08,15.01 38.96,14.4 38.68,13.91 38.24,13.33 38.03,13.03 38.54,12.53 38.87,11.9 39,11.34 39.09,8.72 39.09,8.11 38.93,7.59 38.58,7.03 35.71,3.43 35.36,2.66 34.81,2.04 34.05,1.41 33.21,1.07 28.52,-0.02
Board_5-GND on Bottom: 76.34,0.05 74.76,0.72 73.31,1.51 72.46,2.49 71.4,5.31 69.54,8.44 65.55,13.97 65.32,14.54 65.06,15.47 61.76,17.64 59.21,19.7 57.02,21.8 54.43,24.61 53.9,25.23 53.68,25.83 53.69,26.45 53.94,27.2 54.38,27.76 55.04,28.15 55.55,28.4 56.11,29.64 55.55,30 55.24,30.4 54.84,31.76 54.41,32.73 53.02,32.35 52.7,32.34 52.17,32.55 51.8,32.97 51.64,33.57 51.83,34.42 52.14,35.42 51.72,36.33 51.59,36.8 51.5,37.55 51.51,38.41 51.73,39.14 52.11,39.83 52.78,40.52 53.43,40.98 54.12,41.24 54.19,42.36 54.26,43.22 54.43,44.22 54.74,45.14 55.22,45.94 55.85,46.68 56.59,47.3 57.52,47.82 58.24,48.07 58.33,48.5 58.53,49 58.88,49.41 59.6,49.96 59,50.77 58.73,51.6 58.57,52.34 58.68,53.03 59,54.07 59.45,54.91 60,55.51 60.65,55.95 61.42,56.16 62.87,56.49 63.22,56.55 59.97,68.11 59.81,68.76 59.94,69.44 60.22,69.93 60.8,70.34 61.58,70.46 89.98,70.46 90.24,70.47 90.92,70.19 91.34,69.75 91.58,69.15 91.55,68.44 87.62,56.82 89.77,56.55 91.01,56.14 91.73,55.88 92.29,55.41 92.87,54.62 93.05,54.22 93.62,52.3 93.59,51.41 93.25,50.66 92.79,50.18 91.98,49.53 92.86,48.29 93.07,47.46 93.09,46.43 92.73,45.76 92.09,45.06 92.59,44.82 93.46,44.28 94.09,43.48 94.65,42.66 94.84,41.83 94.94,41.2 95.24,40.88 95.81,40.52 96.72,39.43 97.55,38.15 97.89,36.86 97.85,35.66 97.55,34.8 97.73,33.99 97.8,33.16 97.6,32.2 97.05,31.22 96.18,30.69 95.44,30.48 94.81,29.12 95.14,28.92 96.64,28.04 97.3,27.61 97.58,27.1 97.71,26.61 97.65,25.95 97.43,25.35 96.44,24.19 94.91,22.64 93.33,21.11 91.43,19.46 88.95,17.59 87.21,16.4 87.51,15.42 87.54,15.01 87.42,14.4 87.14,13.91 86.7,13.33 86.49,13.03 87,12.53 87.33,11.9 87.46,11.34 87.55,8.72 87.55,8.11 87.39,7.59 87.04,7.03 84.17,3.43 83.82,2.66 83.27,2.04 82.51,1.41 81.67,1.07 76.98,-0.02
Board_6-GND on Bottom: 124.81,0.05 123.23,0.72 121.78,1.51 120.93,2.49 119.87,5.31 118.01,8.44 114.02,13.97 113.79,14.54 113.53,15.47 110.23,17.64 107.68,19.7 105.49,21.8 102.9,24.61 102.37,25.23 102.15,25.83 102.16,26.45 102.41,27.2 102.85,27.76 103.51,28.15 104.02,28.4 104.58,29.64 104.02,30 103.71,30.4 103.31,31.76 102.88,32.73 101.49,32.35 101.17,32.34 100.64,32.55 100.27,32.97 100.11,33.57 100.3,34.42 100.61,35.42 100.19,36.33 100.06,36.8 99.97,37.55 99.98,38.41 100.2,39.14 100.58,39.83 101.25,40.52 101.9,40.98 102.59,41.24 102.66,42.36 102.73,43.22 102.9,44.22 103.21,45.14 103.69,45.94 104.32,46.68 105.06,47.3 105.99,47.82 106.71,48.07 106.8,48.5 107,49 107.35,49.41 108.07,49.96 107.47,50.77 107.2,51.6 107.04,52.34 107.15,53.03 107.47,54.07 107.92,54.91 108.47,55.51 109.12,55.95 109.89,56.16 111.34,56.49 111.69,56.55 108.44,68.11 108.28,68.76 108.41,69.44 108.69,69.93 109.27,70.34 110.05,70.46 138.45,70.46 138.71,70.47 139.39,70.19 139.81,69.75 140.05,69.15 140.02,68.44 136.09,56.82 138.24,56.55 139.48,56.14 140.2,55.88 140.76,55.41 141.34,54.62 141.52,54.22 142.09,52.3 142.06,51.41 141.72,50.66 141.26,50.18 140.45,49.53 141.33,48.29 141.54,47.46 141.56,46.43 141.2,45.76 140.56,45.06 141.06,44.82 141.93,44.28 142.56,43.48 143.12,42.66 143.31,41.83 143.41,41.2 143.71,40.88 144.28,40.52 145.19,39.43 146.02,38.15 146.36,36.86 146.32,35.66 146.02,34.8 146.2,33.99 146.27,33.16 146.07,32.2 145.52,31.22 144.65,30.69 143.91,30.48 143.28,29.12 143.61,28.92 145.11,28.04 145.77,27.61 146.05,27.1 146.18,26.61 146.12,25.95 145.9,25.35 144.91,24.19 143.38,22.64 141.8,21.11 139.9,19.46 137.42,17.59 135.68,16.4 135.98,15.42 136.01,15.01 135.89,14.4 135.61,13.91 135.17,13.33 134.96,13.03 135.47,12.53 135.8,11.9 135.93,11.34 136.02,8.72 136.02,8.11 135.86,7.59 135.51,7.03 132.64,3.43 132.29,2.66 131.74,2.04 130.98,1.41 130.14,1.07 125.45,-0.02
Board_7-GND on Bottom: 173.28,0.05 171.7,0.72 170.25,1.51 169.4,2.49 168.34,5.31 166.48,8.44 162.49,13.97 162.26,14.54 162,15.47 158.7,17.64 156.15,19.7 153.96,21.8 151.37,24.61 150.84,25.23 150.62,25.83 150.63,26.45 150.88,27.2 151.32,27.76 151.98,28.15 152.49,28.4 153.05,29.64 152.49,30 152.18,30.4 151.78,31.76 151.35,32.73 149.96,32.35 149.64,32.34 149.11,32.55 148.74,32.97 148.58,33.57 148.77,34.42 149.08,35.42 148.66,36.33 148.53,36.8 148.44,37.55 148.45,38.41 148.67,39.14 149.05,39.83 149.72,40.52 150.37,40.98 151.06,41.24 151.13,42.36 151.2,43.22 151.37,44.22 151.68,45.14 152.16,45.94 152.79,46.68 153.53,47.3 154.46,47.82 155.18,48.07 155.27,48.5 155.47,49 155.82,49.41 156.54,49.96 155.94,50.77 155.67,51.6 155.51,52.34 155.62,53.03 155.94,54.07 156.39,54.91 156.94,55.51 157.59,55.95 158.36,56.16 159.81,56.49 160.16,56.55 156.91,68.11 156.75,68.76 156.88,69.44 157.16,69.93 157.74,70.34 158.52,70.46 186.92,70.46 187.18,70.47 187.86,70.19 188.28,69.75 188.52,69.15 188.49,68.44 184.56,56.82 186.71,56.55 187.95,56.14 188.67,55.88 189.23,55.41 189.81,54.62 189.99,54.22 190.56,52.3 190.53,51.41 190.19,50.66 189.73,50.18 188.92,49.53 189.8,48.29 190.01,47.46 190.03,46.43 189.67,45.76 189.03,45.06 189.53,44.82 190.4,44.28 191.03,43.48 191.59,42.66 191.78,41.83 191.88,41.2 192.18,40.88 192.75,40.52 193.66,39.43 194.49,38.15 194.83,36.86 194.79,35.66 194.49,34.8 194.67,33.99 194.74,33.16 194.54,32.2 193.99,31.22 193.12,30.69 192.38,30.48 191.75,29.12 192.08,28.92 193.58,28.04 194.24,27.61 194.52,27.1 194.65,26.61 194.59,25.95 194.37,25.35 193.38,24.19 191.85,22.64 190.27,21.11 188.37,19.46 185.89,17.59 184.15,16.4 184.45,15.42 184.48,15.01 184.36,14.4 184.08,13.91 183.64,13.33 183.43,13.03 183.94,12.53 184.27,11.9 184.4,11.34 184.49,8.72 184.49,8.11 184.33,7.59 183.98,7.03 181.11,3.43 180.76,2.66 180.21,2.04 179.45,1.41 178.61,1.07 173.92,-0.02

## Text on the board
Bottom: Copper by @hamster
B.Fab: FAB MARKINGS HERE
B.Mask: Copper by @hamster
B.Silkscreen: DC801 Black Mage Team / Artwork by @alamedyang | Mini Mage / DC801 2022
Edge.Cuts: V-CUT
F.Silkscreen: MiniMage Panel v1.1
